# KiCad board MozzaCircuit.kicad_pcb (continued)
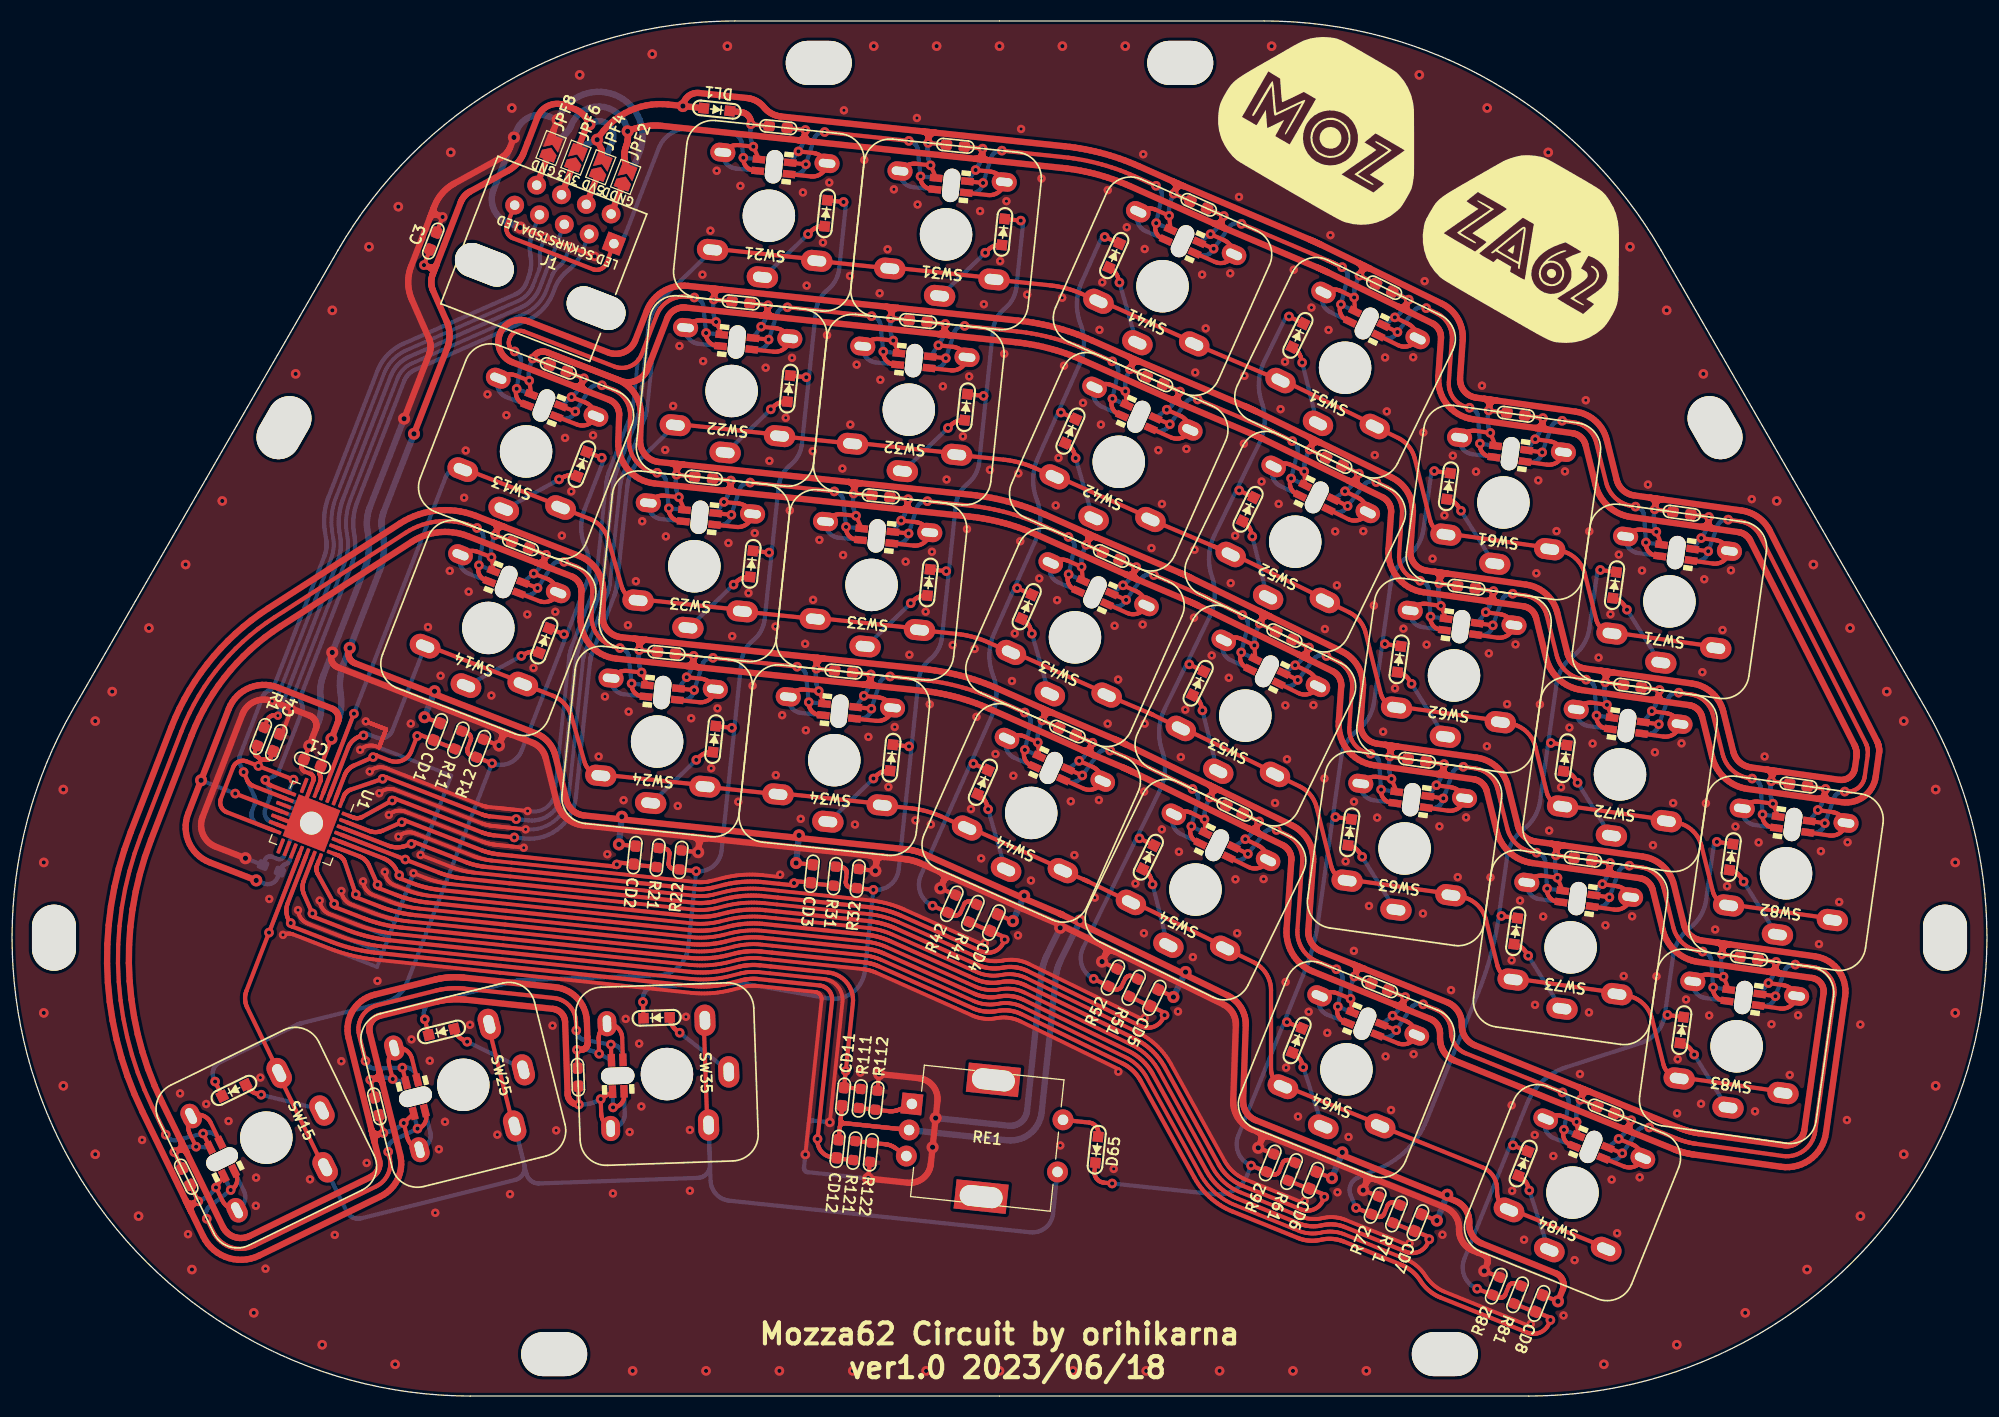
[diagram p0: board, top side]
## Routing (per net, layer and track width the routed paths; a pad name or vN(x,y) marks a point on that pad's centre or on a via; arc(x,y) is an arc through that point) (continued)
  Top w0.6: 167.92,59.08 v2(167.86,58.65) 167.92,59.08 ; 167.92,59.08 167.93,59.14 167.95,59.2 167.98,59.26 168.01,59.32 168.04,59.37 168.08,59.42 168.13,59.46 168.18,59.5 168.23,59.53 168.29,59.56 168.35,59.58 168.41,59.59 168.47,59.6 168.54,59.6 168.6,59.59 168,59.68 ; 167.92,59.08 167.93,59.15 167.93,59.21 167.92,59.27 167.9,59.33 167.88,59.39 167.86,59.45 167.82,59.5 167.79,59.55 167.74,59.6 167.7,59.64 167.64,59.68 167.59,59.71 167.53,59.73 167.47,59.75 167.41,59.76 168,59.68 ; 123.56,71.01 123.53,70.95 123.51,70.89 123.5,70.83 123.5,70.77 123.5,70.7 123.5,70.64 123.52,70.58 123.54,70.52 123.57,70.47 123.6,70.41 123.64,70.36 123.68,70.32 123.73,70.27 123.78,70.24 123.83,70.21 123.29,70.47 ; 123.56,71.01 123.53,70.95 123.49,70.9 123.45,70.86 123.4,70.81 123.35,70.78 123.3,70.74 123.24,70.72 123.18,70.7 123.12,70.68 123.06,70.67 123,70.67 122.93,70.68 122.87,70.69 122.81,70.71 122.75,70.73 123.29,70.47 ; 123.56,71.01 v2(123.75,71.41) 123.56,71.01 ; 132.81,103.66 133.35,103.39 133.29,103.42 133.24,103.46 133.19,103.5 133.15,103.55 133.11,103.6 133.08,103.65 133.05,103.71 133.03,103.77 133.02,103.83 133.01,103.89 133.01,103.95 133.02,104.02 133.03,104.08 133.05,104.14 133.07,104.2 ; 132.81,103.66 132.27,103.92 132.33,103.9 132.39,103.88 132.45,103.87 132.51,103.86 132.57,103.86 132.64,103.87 132.7,103.88 132.76,103.9 132.81,103.93 132.87,103.96 132.92,104 132.96,104.04 133.01,104.09 133.04,104.14 133.07,104.2 ; 132.81,103.66 135.49,102.35 135.6,102.29 135.7,102.23 135.79,102.15 135.88,102.07 135.97,101.99 136.04,101.9 136.11,101.8 136.17,101.69 136.22,101.59 136.26,101.47 136.3,101.36 136.32,101.24 136.34,101.12 136.34,101 136.34,100.89 136.09,97.27 136.08,96.88 136.11,96.5 136.18,96.12 136.28,95.75 136.43,95.39 136.61,95.05 136.82,94.73 137.06,94.43 137.33,94.16 137.63,93.91 137.95,93.7 138.29,93.52 138.64,93.37 139.01,93.26 139.39,93.19 145.92,92.27 ; 132.81,103.66 125.56,107.19 125.49,107.23 125.42,107.26 125.36,107.29 125.29,107.32 125.09,107.42 124.95,107.48 124.88,107.51 124.68,107.6 124.61,107.63 124.54,107.66 115.19,111.63 ; 17.37,18.38 17.32,18.35 17.27,18.32 17.22,18.27 17.18,18.23 17.14,18.18 17.11,18.12 17.08,18.07 17.06,18.01 17.04,17.95 17.04,17.89 17.04,17.82 17.04,17.76 17.05,17.7 17.07,17.64 17.1,17.58 16.83,18.12 ; 17.37,18.38 v2(17.77,18.58) 17.37,18.38 ; 17.37,18.38 17.31,18.36 17.25,18.34 17.19,18.33 17.13,18.32 17.07,18.32 17.01,18.33 16.94,18.35 16.89,18.37 16.83,18.39 16.77,18.42 16.72,18.46 16.68,18.5 16.64,18.55 16.6,18.6 16.57,18.66 16.83,18.12 ; 168,59.68 165.9,59.97 165.74,60 165.59,60.04 165.44,60.1 165.29,60.16 165.15,60.24 165.02,60.32 164.89,60.42 164.78,60.52 164.67,60.64 164.57,60.76 164.48,60.9 164.4,61.03 164.33,61.18 164.27,61.33 164.23,61.48 163.28,65.28 163.2,65.56 163.1,65.82 162.98,66.08 162.84,66.33 162.68,66.56 162.5,66.78 162.3,66.99 162.09,67.18 161.87,67.35 161.63,67.5 161.38,67.64 161.12,67.75 160.85,67.85 160.57,67.92 160.3,67.97 152.16,69.11 ; 168,59.68 174.35,58.79 174.49,58.77 174.63,58.78 174.76,58.79 174.9,58.82 175.03,58.87 175.15,58.93 175.27,59 175.38,59.08 175.48,59.17 175.57,59.28 175.65,59.39 175.71,59.51 175.77,59.63 175.81,59.77 175.83,59.9 175.98,60.94 175.99,61.02 176,61.1 176,61.18 176,61.26 176,61.35 175.99,61.43 175.98,61.51 175.97,61.59 175.95,61.67 175.93,61.75 175.91,61.82 175.88,61.9 175.85,61.98 175.82,62.05 175.78,62.13 165.86,81.61 165.81,81.69 165.76,81.77 165.7,81.85 165.64,81.93 165.57,82 165.5,82.06 165.43,82.12 165.35,82.18 165.27,82.23 165.18,82.27 165.09,82.31 165,82.35 164.91,82.38 164.82,82.4 164.72,82.42 161.76,82.83 ; 115.19,111.63 115.74,111.38 115.68,111.41 115.63,111.44 115.58,111.48 115.54,111.53 115.5,111.58 115.47,111.63 115.44,111.69 115.41,111.74 115.4,111.8 115.39,111.87 115.38,111.93 115.39,111.99 115.4,112.05 115.41,112.11 115.44,112.17 ; 115.19,111.63 106.64,115.43 106.23,115.61 105.82,115.78 105.41,115.94 104.99,116.09 104.56,116.23 104.14,116.36 103.71,116.49 103.28,116.6 102.85,116.71 102.42,116.81 101.98,116.89 101.54,116.97 101.1,117.04 100.66,117.1 100.22,117.15 92.49,117.97 ; 115.19,111.63 114.64,111.87 114.7,111.85 114.76,111.83 114.83,111.82 114.89,111.82 114.95,111.82 115.01,111.83 115.07,111.85 115.13,111.87 115.19,111.9 115.24,111.93 115.29,111.97 115.33,112.02 115.37,112.06 115.41,112.12 115.44,112.17 ; 152.42,50.42 v2(152.48,50.85) 152.42,50.42 ; 152.42,50.42 152.41,50.35 152.41,50.29 152.42,50.23 152.43,50.17 152.45,50.11 152.48,50.05 152.51,50 152.55,49.95 152.59,49.9 152.64,49.86 152.69,49.83 152.75,49.79 152.81,49.77 152.87,49.75 152.93,49.74 152.33,49.82 ; 152.42,50.42 152.4,50.36 152.39,50.3 152.36,50.24 152.33,50.18 152.3,50.13 152.25,50.08 152.21,50.04 152.16,50 152.1,49.97 152.05,49.94 151.99,49.92 151.93,49.91 151.86,49.9 151.8,49.9 151.74,49.91 152.33,49.82 ; 133.07,104.2 v2(133.26,104.59) 133.07,104.2 ; 54.4,96.68 v2(54.56,97.09) 54.4,96.68 ; 54.4,96.68 54.38,96.62 54.36,96.56 54.36,96.5 54.36,96.44 54.36,96.37 54.38,96.31 54.4,96.25 54.42,96.19 54.45,96.14 54.49,96.09 54.53,96.04 54.58,96 54.63,95.96 54.68,95.93 54.74,95.91 54.18,96.12 ; 54.4,96.68 54.37,96.62 54.34,96.57 54.3,96.52 54.26,96.47 54.21,96.43 54.16,96.39 54.11,96.36 54.05,96.34 53.99,96.32 53.93,96.31 53.87,96.3 53.8,96.3 53.74,96.31 53.68,96.32 53.62,96.34 54.18,96.12 ; 66.99,105.04 v2(66.95,104.6) 66.99,105.04 ; 66.99,105.04 67,105.1 67.02,105.16 67.04,105.22 67.07,105.28 67.1,105.33 67.14,105.38 67.19,105.42 67.24,105.46 67.29,105.5 67.35,105.53 67.4,105.55 67.46,105.56 67.53,105.57 67.59,105.58 67.65,105.57 67.06,105.64 ; 66.99,105.04 67,105.1 66.99,105.17 66.98,105.23 66.97,105.29 66.94,105.35 66.92,105.4 66.88,105.46 66.84,105.5 66.8,105.55 66.75,105.59 66.7,105.62 66.64,105.65 66.58,105.67 66.52,105.69 66.46,105.7 67.06,105.64 ; 128.25,40.43 128.27,40.49 128.3,40.54 128.34,40.59 128.38,40.63 128.43,40.68 128.48,40.71 128.54,40.74 128.6,40.77 128.66,40.79 128.72,40.8 128.78,40.8 128.84,40.8 128.91,40.79 128.97,40.78 129.03,40.76 128.47,40.98 ; 128.25,40.43 128.27,40.49 128.28,40.55 128.29,40.61 128.29,40.67 128.28,40.74 128.27,40.8 128.25,40.86 128.23,40.92 128.2,40.97 128.16,41.02 128.12,41.07 128.07,41.11 128.02,41.15 127.97,41.18 127.91,41.21 128.47,40.98 ; 128.25,40.43 v2(128.08,40.02) 128.25,40.43 ; 34.6,30.28 v2(34.18,30.17) 34.6,30.28 ; 34.6,30.28 34.66,30.29 34.72,30.32 34.78,30.35 34.83,30.39 34.87,30.43 34.92,30.47 34.96,30.52 34.99,30.58 35.01,30.63 35.03,30.69 35.05,30.75 35.06,30.82 35.06,30.88 35.05,30.94 35.04,31 35.19,30.42 ; 34.6,30.28 34.66,30.29 34.73,30.29 34.79,30.29 34.85,30.28 34.91,30.27 34.97,30.25 35.03,30.22 35.08,30.19 35.13,30.15 35.18,30.11 35.22,30.06 35.26,30.01 35.29,29.96 35.31,29.9 35.33,29.84 35.19,30.42 ; 106.84,98.35 v2(106.66,97.95) 106.84,98.35 ; 106.84,98.35 106.87,98.41 106.91,98.46 106.95,98.51 106.99,98.56 107.04,98.6 107.09,98.63 107.15,98.66 107.21,98.68 107.27,98.7 107.33,98.71 107.39,98.71 107.45,98.71 107.52,98.7 107.58,98.68 107.64,98.66 107.09,98.9 ; 106.84,98.35 106.87,98.41 106.88,98.47 106.89,98.54 106.9,98.6 106.89,98.66 106.88,98.72 106.87,98.78 106.84,98.84 106.81,98.9 106.78,98.95 106.74,99 106.7,99.04 106.65,99.08 106.6,99.12 106.54,99.15 107.09,98.9 ; 58.8,116.98 58.62,117.38 58.57,117.5 58.53,117.61 58.5,117.73 58.47,117.86 58.45,117.98 58.43,118.1 58.42,118.23 58.42,118.35 58.42,118.48 58.43,118.6 58.45,118.73 58.47,118.85 58.5,118.97 58.54,119.09 58.58,119.21 58.61,119.3 58.64,119.39 58.67,119.49 58.7,119.58 58.72,119.68 58.73,119.77 58.75,119.87 58.76,119.97 58.77,120.06 58.77,120.16 58.77,120.26 58.77,120.36 58.76,120.45 58.75,120.55 58.74,120.65 ; 150.04,29.23 159.1,25.57 159.22,25.52 159.34,25.48 159.47,25.43 159.59,25.39 159.71,25.35 159.84,25.32 159.96,25.28 160.09,25.25 160.22,25.21 160.34,25.18 160.47,25.16 160.6,25.13 160.73,25.11 160.85,25.09 160.98,25.07 169.08,23.93 169.26,23.91 169.44,23.92 169.61,23.94 169.79,23.98 169.96,24.04 170.12,24.11 170.27,24.21 170.42,24.31 170.55,24.44 170.67,24.57 170.77,24.72 170.85,24.87 170.92,25.04 170.98,25.21 171.01,25.39 172.84,38.41 172.85,38.54 172.85,38.68 172.83,38.82 172.8,38.95 172.76,39.08 172.7,39.2 172.63,39.32 172.55,39.43 172.45,39.53 172.35,39.62 172.24,39.7 172.12,39.77 171.99,39.82 171.86,39.86 171.73,39.89 168.17,40.39 ; 150.04,29.23 139.59,33.46 139.44,33.52 139.3,33.6 139.17,33.69 139.04,33.78 138.93,33.89 138.82,34.01 138.72,34.13 138.63,34.26 138.55,34.4 138.48,34.55 138.43,34.69 138.39,34.85 138.35,35 138.34,35.16 138.33,35.32 138.33,35.48 138.32,35.66 138.3,35.84 138.27,36.01 138.22,36.18 138.16,36.35 138.08,36.51 137.99,36.67 137.89,36.81 137.78,36.95 137.66,37.08 137.53,37.2 137.39,37.31 137.24,37.41 137.08,37.5 136.92,37.57 128.47,40.98 ; 150.04,29.23 150.6,29.01 150.54,29.03 150.47,29.04 150.41,29.05 150.35,29.05 150.29,29.05 150.23,29.03 150.17,29.02 150.11,28.99 150.05,28.96 150,28.93 149.95,28.88 149.91,28.84 149.87,28.79 149.84,28.73 149.81,28.68 ; 150.04,29.23 149.48,29.46 149.54,29.43 149.59,29.4 149.64,29.36 149.69,29.32 149.73,29.27 149.77,29.22 149.8,29.16 149.82,29.11 149.84,29.05 149.85,28.99 149.86,28.92 149.86,28.86 149.85,28.8 149.83,28.74 149.81,28.68 ; 168.26,40.98 v2(168.32,41.42) 168.26,40.98 ; 168.26,40.98 168.25,40.92 168.25,40.86 168.26,40.79 168.27,40.73 168.3,40.67 168.32,40.62 168.35,40.56 168.39,40.51 168.43,40.47 168.48,40.42 168.53,40.39 168.59,40.36 168.65,40.33 168.71,40.31 168.77,40.3 168.17,40.39 ; 168.26,40.98 168.25,40.92 168.23,40.86 168.2,40.8 168.17,40.75 168.14,40.69 168.09,40.65 168.05,40.6 168,40.57 167.94,40.53 167.89,40.51 167.83,40.49 167.77,40.47 167.71,40.47 167.64,40.46 167.58,40.47 168.17,40.39 ; 136.49,59.26 135.9,59.34 135.96,59.34 136.02,59.34 136.09,59.35 136.15,59.36 136.21,59.38 136.26,59.41 136.32,59.44 136.37,59.48 136.41,59.52 136.45,59.57 136.49,59.62 136.52,59.67 136.55,59.73 136.56,59.79 136.58,59.85 ; 136.49,59.26 139.45,58.84 139.57,58.82 139.68,58.79 139.8,58.75 139.91,58.7 140.01,58.65 140.11,58.58 140.21,58.51 140.29,58.43 140.38,58.34 140.45,58.25 140.52,58.15 140.58,58.05 140.63,57.94 140.67,57.83 140.71,57.71 141.65,53.91 141.75,53.6 141.86,53.29 142,53 142.16,52.72 142.34,52.45 142.55,52.2 142.77,51.97 143.01,51.75 143.27,51.55 143.54,51.38 143.82,51.22 144.12,51.09 144.42,50.99 144.74,50.9 145.05,50.85 152.33,49.82 ; 136.49,59.26 129.96,60.18 129.57,60.25 129.19,60.36 128.83,60.51 128.48,60.7 128.16,60.92 127.86,61.17 127.58,61.44 127.33,61.75 127.12,62.08 126.94,62.43 126.79,62.79 126.68,63.17 126.61,63.55 126.58,63.94 126.59,64.34 126.82,67.7 126.83,67.82 126.82,67.94 126.8,68.06 126.78,68.17 126.75,68.29 126.7,68.4 126.65,68.51 126.59,68.61 126.53,68.71 126.45,68.8 126.37,68.89 126.28,68.97 126.18,69.04 126.08,69.1 125.98,69.16 123.29,70.47 ; 136.49,59.26 137.09,59.18 137.02,59.19 136.96,59.21 136.91,59.23 136.85,59.26 136.8,59.3 136.75,59.34 136.71,59.38 136.67,59.43 136.64,59.49 136.61,59.55 136.59,59.6 136.58,59.67 136.57,59.73 136.57,59.79 136.58,59.85 ; 146.01,92.86 v2(146.07,93.3) 146.01,92.86 ; 146.01,92.86 145.99,92.8 145.98,92.74 145.95,92.68 145.92,92.63 145.88,92.58 145.84,92.53 145.8,92.49 145.75,92.45 145.69,92.42 145.64,92.39 145.58,92.37 145.52,92.36 145.45,92.35 145.39,92.35 145.33,92.35 145.92,92.27 ; 146.01,92.86 146,92.8 146,92.74 146.01,92.67 146.02,92.61 146.04,92.55 146.07,92.5 146.1,92.44 146.14,92.39 146.18,92.35 146.23,92.31 146.28,92.27 146.34,92.24 146.39,92.22 146.45,92.2 146.52,92.18 145.92,92.27 ; 123.29,70.47 113.17,75.41 113.1,75.44 112.97,75.51 112.9,75.54 112.83,75.57 112.7,75.63 112.63,75.66 112.56,75.69 112.5,75.72 112.36,75.78 112.29,75.81 112.22,75.84 112.16,75.87 106.84,78.13 ; 161.85,83.43 161.84,83.36 161.84,83.3 161.85,83.24 161.86,83.18 161.88,83.12 161.91,83.06 161.94,83.01 161.98,82.96 162.02,82.91 162.07,82.87 162.12,82.83 162.18,82.8 162.23,82.78 162.29,82.76 162.36,82.75 161.76,82.83 ; 161.85,83.43 161.83,83.36 161.82,83.3 161.79,83.25 161.76,83.19 161.72,83.14 161.68,83.09 161.64,83.05 161.59,83.01 161.53,82.98 161.48,82.95 161.42,82.93 161.36,82.92 161.29,82.91 161.23,82.91 161.17,82.92 161.76,82.83 ; 161.85,83.43 v2(161.91,83.86) 161.85,83.43 ; 152.08,68.52 152.09,68.58 152.08,68.64 152.08,68.71 152.06,68.77 152.04,68.83 152.02,68.88 151.98,68.94 151.95,68.99 151.9,69.03 151.85,69.08 151.8,69.11 151.75,69.14 151.69,69.17 151.63,69.19 151.57,69.2 152.16,69.11 ; 152.08,68.52 152.09,68.58 152.11,68.64 152.13,68.7 152.16,68.75 152.2,68.81 152.24,68.85 152.29,68.9 152.34,68.93 152.39,68.97 152.45,68.99 152.51,69.01 152.57,69.03 152.63,69.03 152.69,69.04 152.76,69.03 152.16,69.11 ; 152.08,68.52 v2(152.02,68.08) 152.08,68.52 ; 85.39,84.53 91.31,83.9 91.75,83.85 92.19,83.79 92.63,83.72 93.07,83.64 93.5,83.56 93.94,83.46 94.37,83.35 94.8,83.24 95.23,83.11 95.65,82.98 96.08,82.84 96.49,82.69 96.91,82.53 97.32,82.36 97.73,82.18 106.84,78.13 ; 85.39,84.53 85.98,84.46 85.92,84.47 85.86,84.49 85.8,84.51 85.75,84.54 85.69,84.57 85.64,84.61 85.6,84.66 85.56,84.71 85.53,84.76 85.5,84.82 85.48,84.87 85.46,84.93 85.45,85 85.45,85.06 85.45,85.12 ; 85.39,84.53 84.79,84.59 84.85,84.58 84.92,84.59 84.98,84.6 85.04,84.61 85.1,84.64 85.15,84.67 85.21,84.7 85.25,84.74 85.3,84.78 85.34,84.83 85.37,84.88 85.4,84.94 85.42,85 85.44,85.06 85.45,85.12 ; 85.39,84.53 68.48,86.3 ; 161.76,82.83 154.48,83.86 154.17,83.91 153.85,84 153.55,84.1 153.25,84.23 152.97,84.39 152.7,84.56 152.44,84.76 152.2,84.98 151.98,85.21 151.77,85.46 151.59,85.73 151.43,86.01 151.29,86.3 151.18,86.61 151.08,86.92 150.14,90.72 150.1,90.84 150.06,90.95 150.01,91.06 149.95,91.16 149.88,91.26 149.81,91.35 149.72,91.44 149.64,91.52 149.54,91.59 149.44,91.66 149.34,91.71 149.23,91.76 149.11,91.8 149,91.83 148.88,91.85 145.92,92.27 ; 107.09,98.9 117.59,94.45 117.81,94.35 117.89,94.32 117.96,94.28 118.03,94.25 118.11,94.22 118.33,94.11 118.4,94.08 118.48,94.05 118.55,94.01 118.7,93.94 124.27,91.22 ; 107.09,98.9 103.04,100.71 102.59,100.9 102.14,101.08 101.68,101.26 101.22,101.43 100.76,101.58 100.29,101.73 99.82,101.86 99.35,101.99 98.87,102.11 98.4,102.21 97.92,102.31 97.44,102.4 96.95,102.47 96.47,102.54 95.98,102.6 83.96,103.86 ; 54.18,96.12 47.73,98.62 47.54,98.71 47.35,98.82 47.17,98.95 47.01,99.1 46.86,99.26 46.73,99.44 46.63,99.63 46.54,99.83 46.47,100.04 46.43,100.25 46.4,100.47 46.4,100.69 46.43,100.9 46.47,101.12 46.54,101.33 46.63,101.53 46.74,101.71 46.87,101.89 47.02,102.05 47.18,102.2 47.36,102.33 47.55,102.43 47.75,102.52 47.96,102.59 48.17,102.63 48.39,102.66 48.61,102.66 48.82,102.63 49.04,102.59 49.25,102.52 56.88,99.56 57.07,99.49 57.28,99.45 57.49,99.43 57.7,99.43 57.91,99.45 58.11,99.49 58.31,99.55 58.5,99.64 58.68,99.74 58.85,99.86 59.01,100 59.15,100.16 59.27,100.33 59.38,100.51 59.46,100.7 60.55,103.51 60.69,103.81 60.84,104.1 61.03,104.37 61.23,104.63 61.46,104.87 61.71,105.09 61.97,105.28 62.25,105.46 62.55,105.6 62.86,105.72 63.17,105.82 63.5,105.88 63.82,105.92 64.15,105.93 64.48,105.91 67.06,105.64 ; 54.18,96.12 56.96,95.04 57.08,94.99 57.19,94.93 57.29,94.87 57.39,94.79 57.48,94.71 57.57,94.61 57.64,94.52 57.71,94.41 57.77,94.3 57.82,94.19 57.86,94.07 57.9,93.95 57.92,93.83 57.93,93.71 57.93,93.58 57.84,91.04 57.85,90.66 57.89,90.27 57.97,89.89 58.09,89.52 58.25,89.17 58.44,88.83 58.66,88.52 58.92,88.22 59.2,87.96 59.51,87.72 59.84,87.52 60.18,87.35 60.55,87.21 60.92,87.12 61.31,87.06 68.48,86.3 ; 67.06,105.64 83.96,103.86 ; 168.17,40.39 160.89,41.41 160.58,41.47 160.26,41.55 159.96,41.66 159.66,41.79 159.38,41.94 159.11,42.12 158.85,42.31 158.61,42.53 158.39,42.77 158.18,43.02 158,43.28 157.84,43.56 157.7,43.86 157.59,44.16 157.5,44.47 156.55,48.28 156.51,48.39 156.47,48.5 156.42,48.61 156.36,48.72 156.29,48.81 156.22,48.91 156.14,48.99 156.05,49.07 155.95,49.15 155.85,49.21 155.75,49.27 155.64,49.32 155.52,49.36 155.41,49.39 155.29,49.41 152.33,49.82 ; 92.49,117.97 91.9,118.03 91.96,118.02 92.02,118.03 92.09,118.04 92.15,118.05 92.2,118.08 92.26,118.11 92.31,118.14 92.36,118.18 92.41,118.22 92.45,118.27 92.48,118.32 92.51,118.38 92.53,118.44 92.55,118.5 92.56,118.56 ; 92.49,117.97 93.09,117.9 93.03,117.91 92.97,117.93 92.91,117.95 92.85,117.98 92.8,118.01 92.75,118.05 92.71,118.1 92.67,118.15 92.63,118.2 92.61,118.26 92.58,118.31 92.57,118.37 92.56,118.44 92.55,118.5 92.56,118.56 ; 92.49,117.97 75.59,119.74 ; 98.49,64.86 v2(98.31,64.45) 98.49,64.86 ; 98.49,64.86 98.52,64.91 98.55,64.96 98.59,65.01 98.64,65.06 98.69,65.1 98.74,65.13 98.8,65.16 98.85,65.18 98.91,65.2 98.98,65.21 99.04,65.21 99.1,65.21 99.16,65.2 99.22,65.18 99.28,65.16 98.74,65.4 ; 98.49,64.86 98.51,64.91 98.53,64.97 98.54,65.04 98.54,65.1 98.54,65.16 98.53,65.22 98.51,65.28 98.49,65.34 98.46,65.4 98.43,65.45 98.39,65.5 98.34,65.55 98.3,65.58 98.24,65.62 98.19,65.65 98.74,65.4 ; 114.75,58.04 115.29,57.77 115.23,57.8 115.17,57.82 115.11,57.83 115.05,57.83 114.98,57.83 114.92,57.83 114.86,57.81 114.8,57.79 114.75,57.76 114.69,57.73 114.64,57.69 114.6,57.65 114.55,57.6 114.52,57.55 114.49,57.5 ; 114.75,58.04 122.13,54.44 122.38,54.3 122.62,54.15 122.85,53.98 123.06,53.79 123.25,53.58 123.43,53.36 123.59,53.13 123.74,52.88 123.86,52.62 123.96,52.36 124.04,52.09 124.1,51.81 124.13,51.53 124.15,51.24 124.14,50.96 123.68,44.42 123.68,44.25 123.69,44.08 123.71,43.91 123.75,43.75 123.8,43.59 123.86,43.43 123.94,43.28 124.03,43.14 124.13,43.01 124.24,42.88 124.36,42.76 124.49,42.66 124.63,42.56 124.78,42.48 124.93,42.41 128.47,40.98 ; 114.75,58.04 114.21,58.3 114.27,58.27 114.32,58.23 114.37,58.19 114.41,58.15 114.45,58.1 114.48,58.04 114.5,57.98 114.52,57.93 114.54,57.86 114.55,57.8 114.55,57.74 114.54,57.68 114.53,57.62 114.51,57.56 114.49,57.5 ; 114.75,58.04 106.3,62.16 106.23,62.19 106.16,62.23 106.08,62.26 105.94,62.33 105.64,62.47 105.57,62.5 105.49,62.53 105.42,62.57 105.34,62.6 105.19,62.66 98.74,65.4 ; 114.49,57.5 v2(114.29,57.1) 114.49,57.5 ; 115.44,112.17 v2(115.62,112.58) 115.44,112.17 ; 152.16,69.11 150.06,69.41 149.9,69.44 149.75,69.48 149.6,69.53 149.45,69.6 149.31,69.67 149.18,69.76 149.05,69.85 148.93,69.96 148.83,70.08 148.73,70.2 148.64,70.33 148.56,70.47 148.49,70.61 148.43,70.76 148.39,70.91 147.44,74.72 147.36,74.99 147.26,75.26 147.14,75.52 146.99,75.76 146.83,76 146.66,76.22 146.46,76.42 146.25,76.61 146.02,76.79 145.79,76.94 145.54,77.08 145.28,77.19 145.01,77.28 144.73,77.36 144.45,77.41 136.32,78.55 ; 124.27,91.22 123.73,91.49 123.78,91.46 123.83,91.42 123.88,91.38 123.92,91.33 123.96,91.28 123.99,91.23 124.02,91.17 124.04,91.11 124.06,91.05 124.06,90.99 124.06,90.93 124.06,90.86 124.05,90.8 124.03,90.74 124,90.68 ; 124.27,91.22 131.65,87.62 131.9,87.49 132.14,87.34 132.36,87.16 132.57,86.97 132.77,86.77 132.95,86.55 133.11,86.31 133.25,86.07 133.37,85.81 133.48,85.55 133.56,85.27 133.61,85 133.65,84.71 133.66,84.43 133.66,84.15 133.41,80.66 133.41,80.48 133.42,80.3 133.45,80.12 133.5,79.94 133.57,79.78 133.66,79.62 133.75,79.47 133.87,79.32 134,79.2 134.13,79.08 134.29,78.98 134.44,78.9 134.61,78.83 134.78,78.78 134.96,78.74 136.32,78.55 ; 124.27,91.22 124.81,90.96 124.75,90.99 124.69,91 124.63,91.02 124.56,91.02 124.5,91.02 124.44,91.01 124.38,91 124.32,90.98 124.26,90.95 124.21,90.92 124.16,90.88 124.11,90.84 124.07,90.79 124.03,90.74 124,90.68 ; 76.79,69.82 v2(76.75,69.39) 76.79,69.82 ; 76.79,69.82 76.8,69.88 76.82,69.95 76.84,70 76.87,70.06 76.9,70.11 76.94,70.16 76.99,70.21 77.04,70.25 77.09,70.28 77.14,70.31 77.2,70.33 77.26,70.35 77.33,70.36 77.39,70.36 77.45,70.36 76.85,70.42 ; 76.79,69.82 76.79,69.89 76.79,69.95 76.78,70.01 76.77,70.07 76.74,70.13 76.71,70.19 76.68,70.24 76.64,70.29 76.6,70.33 76.55,70.37 76.49,70.41 76.44,70.43 76.38,70.46 76.32,70.47 76.26,70.48 76.85,70.42 ; 83.9,103.26 v2(83.85,102.83) 83.9,103.26 ; 83.9,103.26 83.91,103.32 83.93,103.39 83.95,103.44 83.98,103.5 84.01,103.55 84.05,103.6 84.09,103.65 84.14,103.69 84.2,103.72 84.25,103.75 84.31,103.77 84.37,103.79 84.43,103.8 84.5,103.8 84.56,103.8 83.96,103.86 ; 83.9,103.26 83.9,103.33 83.9,103.39 83.89,103.45 83.87,103.51 83.85,103.57 83.82,103.63 83.79,103.68 83.75,103.73 83.7,103.77 83.66,103.81 83.6,103.85 83.55,103.87 83.49,103.9 83.43,103.91 83.37,103.92 83.96,103.86 ; 85.45,85.12 v2(85.5,85.56) 85.45,85.12 ; 16.83,18.12 12.44,27.13 11.68,28.8 11.02,30.51 10.45,32.24 9.97,34.01 9.6,35.81 9.32,37.62 9.14,39.44 9.07,41.27 9.09,43.1 9.22,44.92 9.44,46.74 9.76,48.54 10.19,50.32 10.7,52.08 11.32,53.8 15.19,63.77 15.57,64.69 15.98,65.6 16.44,66.48 16.93,67.35 17.46,68.19 18.02,69.01 18.62,69.81 19.25,70.58 19.91,71.33 20.6,72.04 21.32,72.73 22.07,73.39 22.85,74.01 23.65,74.6 24.47,75.16 37.02,83.24 37.45,83.5 37.89,83.73 38.35,83.93 38.82,84.11 39.3,84.25 39.79,84.36 40.29,84.45 40.79,84.5 41.29,84.52 41.79,84.5 42.29,84.46 42.79,84.38 43.28,84.28 43.76,84.14 44.23,83.97 46.46,83.11 ; 16.83,18.12 18.24,15.24 18.44,14.87 18.68,14.53 18.96,14.21 19.26,13.93 19.6,13.68 19.95,13.46 20.33,13.29 20.73,13.15 21.13,13.06 21.55,13 21.97,13 22.38,13.03 22.79,13.11 23.19,13.24 23.58,13.4 35.17,19.05 35.45,19.21 35.71,19.38 35.96,19.58 36.19,19.8 36.39,20.04 36.57,20.3 36.73,20.57 36.87,20.86 36.97,21.16 37.05,21.46 37.11,21.78 37.13,22.09 37.12,22.41 37.09,22.72 37.03,23.03 35.19,30.42 ; 92.56,118.56 v2(92.6,119) 92.56,118.56 ; 136.24,77.96 v2(136.18,77.52) 136.24,77.96 ; 136.24,77.96 136.24,78.02 136.24,78.08 136.24,78.14 136.22,78.21 136.2,78.26 136.17,78.32 136.14,78.38 136.1,78.43 136.06,78.47 136.01,78.51 135.96,78.55 135.91,78.58 135.85,78.6 135.79,78.62 135.73,78.63 136.32,78.55 ; 136.24,77.96 136.25,78.02 136.27,78.08 136.29,78.14 136.32,78.19 136.36,78.24 136.4,78.29 136.45,78.33 136.5,78.37 136.55,78.4 136.61,78.43 136.67,78.45 136.73,78.46 136.79,78.47 136.85,78.47 136.92,78.47 136.32,78.55 ; 35.19,30.42 34.12,34.68 34.1,34.81 34.09,34.95 34.09,35.09 34.11,35.22 34.14,35.36 34.18,35.49 34.24,35.61 34.31,35.73 34.39,35.84 34.49,35.94 34.59,36.03 34.7,36.11 34.82,36.17 34.95,36.23 35.08,36.27 40.5,37.62 40.68,37.66 40.86,37.7 41.04,37.73 41.23,37.76 41.41,37.79 41.59,37.81 41.78,37.83 41.97,37.84 42.15,37.85 42.34,37.85 42.52,37.85 42.71,37.85 42.9,37.84 43.08,37.83 43.27,37.81 51.6,36.94 51.72,36.92 51.84,36.89 51.96,36.84 52.07,36.79 52.18,36.73 52.28,36.65 52.37,36.57 52.46,36.48 52.53,36.38 52.6,36.27 52.66,36.16 52.7,36.05 52.74,35.93 52.76,35.8 52.77,35.68 53,28.97 53.01,28.81 53.02,28.7 53.04,28.59 53.07,28.49 53.11,28.39 53.17,28.29 53.23,28.21 53.3,28.12 53.38,28.05 53.47,27.98 53.56,27.93 53.66,27.88 53.76,27.85 53.87,27.82 53.97,27.81 v2(54.08,27.81) ; 124,90.68 v2(123.81,90.29) 124,90.68 ; 46.24,82.55 v2(46.08,82.14) 46.24,82.55 ; 46.24,82.55 46.27,82.61 46.3,82.66 46.34,82.71 46.38,82.76 46.42,82.8 46.48,82.84 46.53,82.87 46.59,82.9 46.65,82.92 46.71,82.93 46.77,82.93 46.83,82.93 46.9,82.93 46.96,82.91 47.02,82.89 46.46,83.11 ; 46.24,82.55 46.26,82.61 46.27,82.67 46.28,82.74 46.28,82.8 46.27,82.86 46.26,82.92 46.24,82.98 46.22,83.04 46.19,83.09 46.15,83.15 46.11,83.19 46.06,83.23 46.01,83.27 45.96,83.3 45.9,83.33 46.46,83.11 ; 46.46,83.11 54.12,80.14 54.39,80.02 54.65,79.88 54.89,79.72 55.13,79.54 55.35,79.34 55.55,79.13 55.73,78.89 55.89,78.65 56.03,78.39 56.15,78.12 56.25,77.84 56.33,77.55 56.38,77.26 56.4,76.97 56.4,76.67 56.33,74.46 56.33,74.26 56.35,74.06 56.4,73.86 56.46,73.67 56.54,73.49 56.64,73.31 56.76,73.15 56.89,72.99 57.03,72.86 57.19,72.73 57.36,72.63 57.55,72.54 57.73,72.47 57.93,72.42 58.13,72.39 59.95,72.2 ; 107.08,78.67 107.06,78.62 107.04,78.56 107.03,78.49 107.03,78.43 107.03,78.37 107.04,78.31 107.06,78.25 107.08,78.19 107.11,78.13 107.15,78.08 107.19,78.03 107.23,77.98 107.28,77.95 107.33,77.91 107.39,77.88 106.84,78.13 ; 107.08,78.67 107.06,78.62 107.02,78.57 106.98,78.52 106.94,78.47 106.89,78.43 106.84,78.4 106.78,78.37 106.72,78.35 106.66,78.33 106.6,78.32 106.54,78.32 106.47,78.32 106.41,78.33 106.35,78.35 106.29,78.37 106.84,78.13 ; 107.08,78.67 v2(107.26,79.08) 107.08,78.67 ; 75.65,120.34 75.65,120.28 75.65,120.21 75.66,120.15 75.68,120.09 75.7,120.03 75.73,119.98 75.76,119.92 75.8,119.87 75.85,119.83 75.89,119.79 75.95,119.76 76,119.73 76.06,119.71 76.12,119.69 76.18,119.68 75.59,119.74 ; 75.65,120.34 v2(75.7,120.78) 75.65,120.34 ; 75.65,120.34 75.64,120.28 75.62,120.22 75.6,120.16 75.57,120.1 75.54,120.05 75.5,120 75.46,119.96 75.41,119.92 75.35,119.88 75.3,119.85 75.24,119.83 75.18,119.82 75.12,119.81 75.05,119.8 74.99,119.81 75.59,119.74 ; 136.58,59.85 v2(136.64,60.29) 136.58,59.85 ; 149.81,28.68 v2(149.65,28.27) 149.81,28.68 ; 75.59,119.74 62.03,121.17 61.81,121.19 61.59,121.2 61.36,121.2 61.14,121.2 60.91,121.19 60.69,121.17 60.46,121.14 60.24,121.11 60.02,121.06 59.8,121.01 59.58,120.96 59.37,120.89 59.15,120.82 58.94,120.74 v1(58.74,120.65) ; 59.95,72.2 59.35,72.26 59.41,72.25 59.47,72.23 59.53,72.21 59.59,72.18 59.64,72.15 59.69,72.11 59.73,72.06 59.77,72.02 59.81,71.96 59.84,71.91 59.86,71.85 59.87,71.79 59.88,71.73 59.89,71.66 59.88,71.6 ; 59.95,72.2 76.85,70.42 ; 59.95,72.2 60.54,72.13 60.48,72.14 60.42,72.13 60.36,72.12 60.3,72.11 60.24,72.09 60.18,72.06 60.13,72.02 60.08,71.98 60.04,71.94 60,71.89 59.96,71.84 59.93,71.78 59.91,71.72 59.89,71.66 59.88,71.6 ; 76.85,70.42 87.07,69.35 87.56,69.29 88.04,69.22 88.53,69.15 89.01,69.06 89.49,68.96 89.96,68.86 90.44,68.74 90.91,68.61 91.38,68.48 91.85,68.33 92.31,68.18 92.77,68.01 93.23,67.83 93.68,67.65 94.13,67.46 98.74,65.4 ; 68.54,86.9 68.53,86.84 68.52,86.78 68.49,86.72 68.47,86.66 68.43,86.61 68.39,86.56 68.35,86.52 68.3,86.48 68.25,86.44 68.19,86.41 68.13,86.39 68.07,86.38 68.01,86.37 67.95,86.36 67.88,86.37 68.48,86.3 ; 68.54,86.9 v2(68.59,87.34) 68.54,86.9 ; 68.54,86.9 68.54,86.84 68.54,86.77 68.55,86.71 68.57,86.65 68.59,86.59 68.62,86.54 68.65,86.48 68.69,86.43 68.74,86.39 68.79,86.35 68.84,86.32 68.9,86.29 68.95,86.27 69.01,86.25 69.08,86.24 68.48,86.3 ; 59.88,71.6 v2(59.84,71.16) 59.88,71.6
  Bottom w0.4: 83.76,85.74 v2(85.5,85.56) 85.45,85.14 85.44,85.02 85.42,84.91 85.4,84.79 85.37,84.68 85.34,84.57 85.31,84.45 85.27,84.34 85.23,84.23 85.18,84.13 85.13,84.02 85.08,83.91 85.02,83.81 84.96,83.71 84.9,83.61 v2(84.83,83.52) 84.05,82.44 ; v2(136.33,75.38) 136.29,75.49 136.25,75.6 136.22,75.71 136.19,75.82 136.16,75.94 136.14,76.05 136.12,76.17 136.1,76.29 136.09,76.4 136.09,76.52 136.09,76.64 136.09,76.75 136.09,76.87 136.1,76.99 136.12,77.1 v2(136.18,77.52) 137.91,77.28 ; 105.66,79.79 v2(107.26,79.08) 107.09,78.7 107.04,78.59 106.99,78.48 106.93,78.38 106.87,78.28 106.81,78.18 106.74,78.09 106.67,77.99 106.6,77.9 106.52,77.81 106.44,77.73 106.36,77.64 106.27,77.56 106.18,77.49 106.09,77.41 v2(106,77.34) L43.6 ; 153.75,67.84 v2(152.02,68.08) 151.96,67.67 151.95,67.55 151.94,67.43 151.93,67.32 151.93,67.2 151.93,67.08 151.94,66.96 151.95,66.85 151.96,66.73 151.98,66.62 152,66.5 152.03,66.39 152.06,66.27 152.09,66.16 152.13,66.05 v2(152.17,65.94) ; 73.96,120.96 v2(75.7,120.78) 75.65,120.36 75.64,120.24 75.62,120.13 75.6,120.01 75.57,119.9 75.54,119.78 75.51,119.67 75.47,119.56 75.43,119.45 75.38,119.34 75.33,119.24 75.28,119.13 75.22,119.03 75.16,118.93 75.1,118.83 v2(75.03,118.73) L21.6 ; 77.4,64.94 75.31,65.16 75.16,65.19 75.02,65.22 74.89,65.28 74.76,65.34 74.63,65.42 74.52,65.51 74.42,65.62 74.32,65.73 74.24,65.86 74.18,65.99 74.12,66.12 74.09,66.26 74.06,66.41 74.06,66.56 74.06,66.7 ; 124.76,38.18 124.71,38.04 124.68,37.9 124.66,37.75 124.66,37.61 124.67,37.46 124.7,37.32 124.74,37.18 124.8,37.04 124.87,36.91 124.96,36.79 125.05,36.68 125.16,36.58 125.28,36.49 125.4,36.42 125.54,36.36 L64.6 ; SW84.5 146.28,26.29 146.25,26.15 146.23,26 146.23,25.86 146.24,25.71 146.27,25.57 146.31,25.43 146.37,25.29 146.44,25.16 146.53,25.04 146.62,24.93 146.73,24.83 146.85,24.74 146.97,24.67 147.1,24.61 149.05,23.82 ; 136.67,73.06 134.59,73.35 134.45,73.38 134.31,73.42 134.18,73.48 134.05,73.55 133.93,73.63 133.82,73.73 133.72,73.84 133.63,73.95 133.55,74.08 133.49,74.21 133.44,74.35 133.41,74.49 133.39,74.64 133.39,74.79 SW62.5 ; L13.6 v2(53.38,95.3) 53.47,95.37 53.55,95.45 53.64,95.53 53.72,95.61 53.8,95.7 53.87,95.79 53.95,95.88 54.02,95.98 54.08,96.08 54.15,96.17 54.2,96.28 54.26,96.38 54.31,96.48 54.36,96.59 54.4,96.7 v2(54.56,97.09) C13.2 ; v2(84.08,100.69) 84.04,100.8 83.99,100.91 83.96,101.02 83.92,101.13 83.89,101.24 83.86,101.36 83.84,101.47 83.82,101.59 83.81,101.71 83.8,101.82 83.79,101.94 83.79,102.06 83.79,102.17 83.8,102.29 83.81,102.41 v2(83.85,102.83) 85.59,102.64 ; v2(97.87,62.35) 97.86,62.47 97.85,62.59 97.85,62.7 97.85,62.82 97.86,62.94 97.87,63.05 97.88,63.17 97.9,63.29 97.92,63.4 97.95,63.52 97.98,63.63 98.02,63.74 98.05,63.85 98.1,63.96 98.14,64.07 v2(98.31,64.45) C44.2 ; v2(168.01,56.51) 167.97,56.61 167.93,56.73 167.9,56.84 167.87,56.95 167.84,57.07 167.82,57.18 167.8,57.3 167.79,57.41 167.78,57.53 167.77,57.65 167.77,57.76 167.77,57.88 167.78,58 167.79,58.11 167.8,58.23 v2(167.86,58.65) C82.2 ; SW22.5 64.26,101.77 64.26,101.63 64.29,101.48 64.32,101.34 64.38,101.2 64.44,101.07 64.52,100.95 64.62,100.84 64.72,100.73 64.83,100.64 64.96,100.56 65.09,100.49 65.22,100.44 65.37,100.4 65.51,100.38 L22.6 ; 97.56,60.03 95.64,60.88 95.51,60.95 95.39,61.03 95.27,61.12 95.17,61.22 95.08,61.34 95,61.46 94.93,61.59 94.88,61.73 94.84,61.87 94.82,62.01 94.81,62.16 94.82,62.31 94.84,62.45 94.88,62.59 SW44.5 ; 21.19,21.48 22.11,19.6 22.17,19.46 22.21,19.32 22.24,19.18 22.25,19.03 22.25,18.88 22.23,18.74 22.2,18.6 22.15,18.46 22.09,18.32 22.01,18.2 21.93,18.08 21.83,17.97 21.72,17.88 21.6,17.79 21.47,17.72 ; 91.16,115.88 v2(91.94,116.96) 92,117.05 92.07,117.15 92.13,117.25 92.18,117.35 92.24,117.46 92.29,117.57 92.33,117.67 92.38,117.78 92.41,117.89 92.45,118.01 92.48,118.12 92.5,118.23 92.53,118.35 92.54,118.46 92.56,118.58 v2(92.6,119) 90.86,119.18 ; L71.6 v2(161.17,81.84) 161.24,81.94 161.31,82.03 161.37,82.13 161.43,82.23 161.49,82.34 161.54,82.44 161.59,82.55 161.64,82.65 161.68,82.76 161.72,82.87 161.75,82.99 161.78,83.1 161.81,83.21 161.83,83.33 161.85,83.45 v2(161.91,83.86) 160.17,84.11 ; C53.2 v2(123.75,71.41) 123.56,71.03 123.51,70.92 123.45,70.82 123.39,70.72 123.33,70.62 123.26,70.53 123.19,70.43 123.12,70.34 123.04,70.25 122.96,70.17 122.88,70.08 122.79,70 122.7,69.93 122.61,69.85 122.52,69.78 v2(122.42,69.72) 121.32,68.97 ; 149.24,65.5 149.23,65.35 149.23,65.2 149.25,65.06 149.28,64.91 149.33,64.78 149.39,64.64 149.47,64.52 149.56,64.4 149.66,64.29 149.77,64.2 149.89,64.11 150.02,64.04 150.15,63.98 150.29,63.94 150.44,63.91 152.51,63.62 ; 150.92,47.79 v2(151.74,48.84) 151.81,48.93 151.88,49.03 151.94,49.12 152,49.22 152.06,49.33 152.11,49.43 152.16,49.54 152.21,49.65 152.25,49.75 152.29,49.87 152.32,49.98 152.35,50.09 152.38,50.21 152.4,50.32 152.42,50.44 v2(152.48,50.85) C73.2 ; C35.2 v2(54.08,27.81) 54.5,27.82 54.62,27.83 54.74,27.84 54.85,27.85 54.97,27.87 55.08,27.89 55.2,27.92 55.31,27.95 55.42,27.98 55.54,28.02 55.64,28.06 55.75,28.11 55.86,28.16 55.96,28.21 56.07,28.27 v2(56.17,28.33) ; L35.6 58.47,26.97 58.46,26.83 58.45,26.68 58.41,26.54 58.36,26.4 58.3,26.27 58.23,26.14 58.14,26.02 58.04,25.92 57.93,25.82 57.81,25.74 57.68,25.66 57.55,25.61 57.41,25.56 57.26,25.54 57.12,25.52 ; 81.17,100.14 81.16,100 81.17,99.85 81.19,99.7 81.23,99.56 81.28,99.43 81.35,99.3 81.43,99.17 81.52,99.06 81.63,98.95 81.74,98.86 81.86,98.78 81.99,98.72 82.13,98.66 82.27,98.63 82.42,98.6 84.51,98.38 ; v2(67.17,102.47) 67.13,102.58 67.09,102.68 67.05,102.8 67.01,102.91 66.98,103.02 66.96,103.14 66.94,103.25 66.92,103.37 66.9,103.48 66.89,103.6 66.89,103.72 66.88,103.83 66.89,103.95 66.89,104.07 66.9,104.18 v2(66.95,104.6) C22.2 ; C41.2 v2(115.62,112.58) 115.45,112.19 115.4,112.09 115.34,111.98 115.29,111.88 115.23,111.78 115.16,111.68 115.09,111.59 115.02,111.49 114.95,111.4 114.87,111.31 114.79,111.23 114.71,111.14 114.62,111.06 114.53,110.99 114.44,110.91 v2(114.35,110.84) 113.28,110.06 ; L24.6 58.4,66.94 58.26,66.96 58.12,67 57.98,67.05 57.85,67.12 57.73,67.2 57.61,67.29 57.51,67.4 57.42,67.51 57.34,67.63 57.27,67.76 57.22,67.9 57.18,68.04 57.16,68.19 57.15,68.33 SW24.5 ; v2(127.71,37.9) 127.7,38.02 127.69,38.14 127.68,38.25 127.68,38.37 127.68,38.49 127.69,38.61 127.7,38.72 127.71,38.84 127.73,38.95 127.75,39.07 127.78,39.18 127.81,39.3 127.84,39.41 127.88,39.52 127.92,39.63 v2(128.08,40.02) C64.2 ; v2(106.22,95.85) 106.21,95.97 106.21,96.08 106.2,96.2 106.21,96.32 106.21,96.44 106.22,96.55 106.24,96.67 106.25,96.79 106.28,96.9 106.3,97.01 106.33,97.13 106.37,97.24 106.41,97.35 106.45,97.46 106.49,97.57 v2(106.66,97.95) C42.2 ; 78.49,69.2 v2(76.75,69.39) 76.7,68.97 76.69,68.85 76.69,68.73 76.68,68.62 76.69,68.5 76.69,68.38 76.7,68.27 76.72,68.15 76.73,68.03 76.76,67.92 76.78,67.8 76.81,67.69 76.85,67.58 76.89,67.47 76.93,67.36 v2(76.97,67.25) ; 120.37,88.68 120.31,88.55 120.27,88.41 120.24,88.26 120.23,88.12 120.23,87.97 120.25,87.83 120.28,87.68 120.33,87.55 120.39,87.41 120.47,87.29 120.56,87.17 120.66,87.06 120.77,86.97 120.89,86.88 121.02,86.81 122.9,85.89 ; L63.6 v2(135.9,58.27) 135.97,58.37 136.04,58.46 136.1,58.56 136.16,58.66 136.22,58.76 136.27,58.87 136.32,58.97 136.37,59.08 136.41,59.19 136.45,59.3 136.48,59.41 136.51,59.53 136.54,59.64 136.56,59.76 136.58,59.87 v2(136.64,60.29) C63.2 ; v2(149.28,26.15) 149.27,26.27 149.26,26.39 149.25,26.5 149.25,26.62 149.25,26.74 149.26,26.85 149.27,26.97 149.28,27.09 149.3,27.2 149.32,27.32 149.35,27.43 149.38,27.55 149.41,27.66 149.45,27.77 149.49,27.88 v2(149.65,28.27) 151.27,27.61 ; L23.6 v2(67.92,85.29) 67.99,85.39 68.05,85.49 68.11,85.59 68.17,85.69 68.22,85.8 68.27,85.9 68.32,86.01 68.36,86.12 68.4,86.23 68.43,86.34 68.46,86.46 68.49,86.57 68.51,86.69 68.53,86.8 68.54,86.92 v2(68.59,87.34) 66.85,87.52 ; 45.55,77.68 43.59,78.44 43.46,78.5 43.33,78.58 43.21,78.66 43.1,78.76 43,78.87 42.92,78.99 42.85,79.12 42.79,79.25 42.74,79.39 42.71,79.53 42.7,79.68 42.7,79.83 42.71,79.97 42.74,80.12 42.79,80.26 ; v2(60.07,69.03) 60.02,69.14 59.98,69.24 59.94,69.36 59.91,69.47 59.88,69.58 59.85,69.7 59.83,69.81 59.81,69.93 59.79,70.04 59.78,70.16 59.78,70.28 59.78,70.39 59.78,70.51 59.78,70.63 59.79,70.74 v2(59.84,71.16) C24.2 ; v2(113.78,55.02) 113.77,55.13 113.77,55.25 113.77,55.37 113.78,55.49 113.79,55.6 113.8,55.72 113.82,55.83 113.84,55.95 113.87,56.06 113.9,56.18 113.93,56.29 113.97,56.4 114.01,56.51 114.06,56.62 114.11,56.72 v2(114.29,57.1) 115.87,56.33 ; 131.69,105.36 v2(133.26,104.59) 133.08,104.21 133.03,104.11 132.97,104.01 132.91,103.91 132.85,103.81 132.78,103.71 132.71,103.62 132.63,103.53 132.56,103.44 132.48,103.35 132.39,103.27 132.31,103.19 132.22,103.11 132.13,103.04 132.04,102.97 v2(131.94,102.9) L51.6 ; 165.08,56.06 165.07,55.91 165.07,55.77 165.09,55.62 165.13,55.48 165.17,55.34 165.23,55.21 165.31,55.08 165.4,54.96 165.5,54.86 165.61,54.76 165.73,54.68 165.86,54.61 165.99,54.55 166.13,54.51 166.28,54.48 168.36,54.19 ; SW42.5 103.23,96.09 103.19,95.95 103.17,95.81 103.16,95.66 103.17,95.51 103.19,95.37 103.23,95.23 103.28,95.09 103.35,94.96 103.43,94.84 103.52,94.72 103.63,94.62 103.74,94.53 103.86,94.45 103.99,94.38 L42.6 ; 17,20.15 v2(17.77,18.58) 18.15,18.76 18.25,18.81 18.35,18.87 18.45,18.93 18.55,18.99 18.65,19.06 18.74,19.13 18.83,19.21 18.92,19.28 19.01,19.36 19.09,19.45 19.17,19.53 19.25,19.62 19.32,19.71 19.39,19.8 v2(19.46,19.9) ; 125.38,89.52 v2(123.81,90.29) 123.63,89.91 123.58,89.8 123.53,89.7 123.49,89.59 123.45,89.48 123.42,89.36 123.39,89.25 123.36,89.14 123.34,89.02 123.32,88.91 123.3,88.79 123.29,88.67 123.29,88.56 123.29,88.44 123.29,88.32 v2(123.29,88.2) ; 113.39,52.7 111.5,53.62 111.37,53.7 111.25,53.78 111.14,53.88 111.04,53.98 110.95,54.1 110.88,54.23 110.82,54.36 110.77,54.5 110.74,54.64 110.72,54.79 110.71,54.93 110.73,55.08 110.76,55.22 110.8,55.36 110.86,55.5 ; v2(45.74,80.02) 45.73,80.14 45.71,80.25 45.71,80.37 45.7,80.49 45.7,80.61 45.71,80.72 45.72,80.84 45.73,80.96 45.75,81.07 45.77,81.19 45.79,81.3 45.82,81.42 45.85,81.53 45.89,81.64 45.93,81.75 v2(46.08,82.14) C14.2 ; L61.6 v2(145.33,91.28) 145.4,91.37 145.47,91.47 145.53,91.57 145.59,91.67 145.65,91.77 145.7,91.88 145.75,91.98 145.8,92.09 145.84,92.2 145.88,92.31 145.91,92.42 145.94,92.54 145.97,92.65 145.99,92.77 146.01,92.88 v2(146.07,93.3) 144.33,93.54 ; L83.6 v2(167.58,39.4) 167.65,39.49 167.72,39.59 167.78,39.69 167.84,39.79 167.9,39.89 167.95,39.99 168,40.1 168.05,40.21 168.09,40.32 168.13,40.43 168.16,40.54 168.19,40.65 168.22,40.77 168.24,40.88 168.26,41 v2(168.32,41.42) 166.59,41.66 ; L25.6 v2(36.32,30.24) 36.21,30.27 36.09,30.3 35.98,30.32 35.86,30.34 35.75,30.35 35.63,30.36 35.51,30.37 35.4,30.37 35.28,30.37 35.16,30.36 35.04,30.35 34.93,30.34 34.81,30.32 34.7,30.3 34.58,30.27 v2(34.18,30.17) 34.6,28.47
  Bottom w0.6: 51.69,119.74 52.1,119.91 52.21,119.97 52.32,120.03 52.43,120.09 52.53,120.16 52.63,120.24 52.72,120.32 52.82,120.4 52.9,120.49 52.98,120.59 53.06,120.69 53.13,120.79 53.2,120.9 53.26,121.01 53.31,121.12 53.36,121.23 53.58,121.67 53.86,122.07 54.22,122.4 54.62,122.68 55.07,122.87 55.54,122.99 56.03,123.02 56.51,122.97 56.98,122.83 57.42,122.62 57.81,122.33 58.15,121.98 58.42,121.57 58.62,121.12 v1(58.74,120.65)
